# Altium PCB Nestling_2.x_EXB.PcbDoc (part 1 of 2)
Units mm, origin at the board's own origin, x right, y up, seen from the top; angles counter-clockwise.
Board outline 140 x 90 mm, 2 copper layers (Top Layer, Bottom Layer); 103 components, 167 nets, 700 pads, 183 vias.
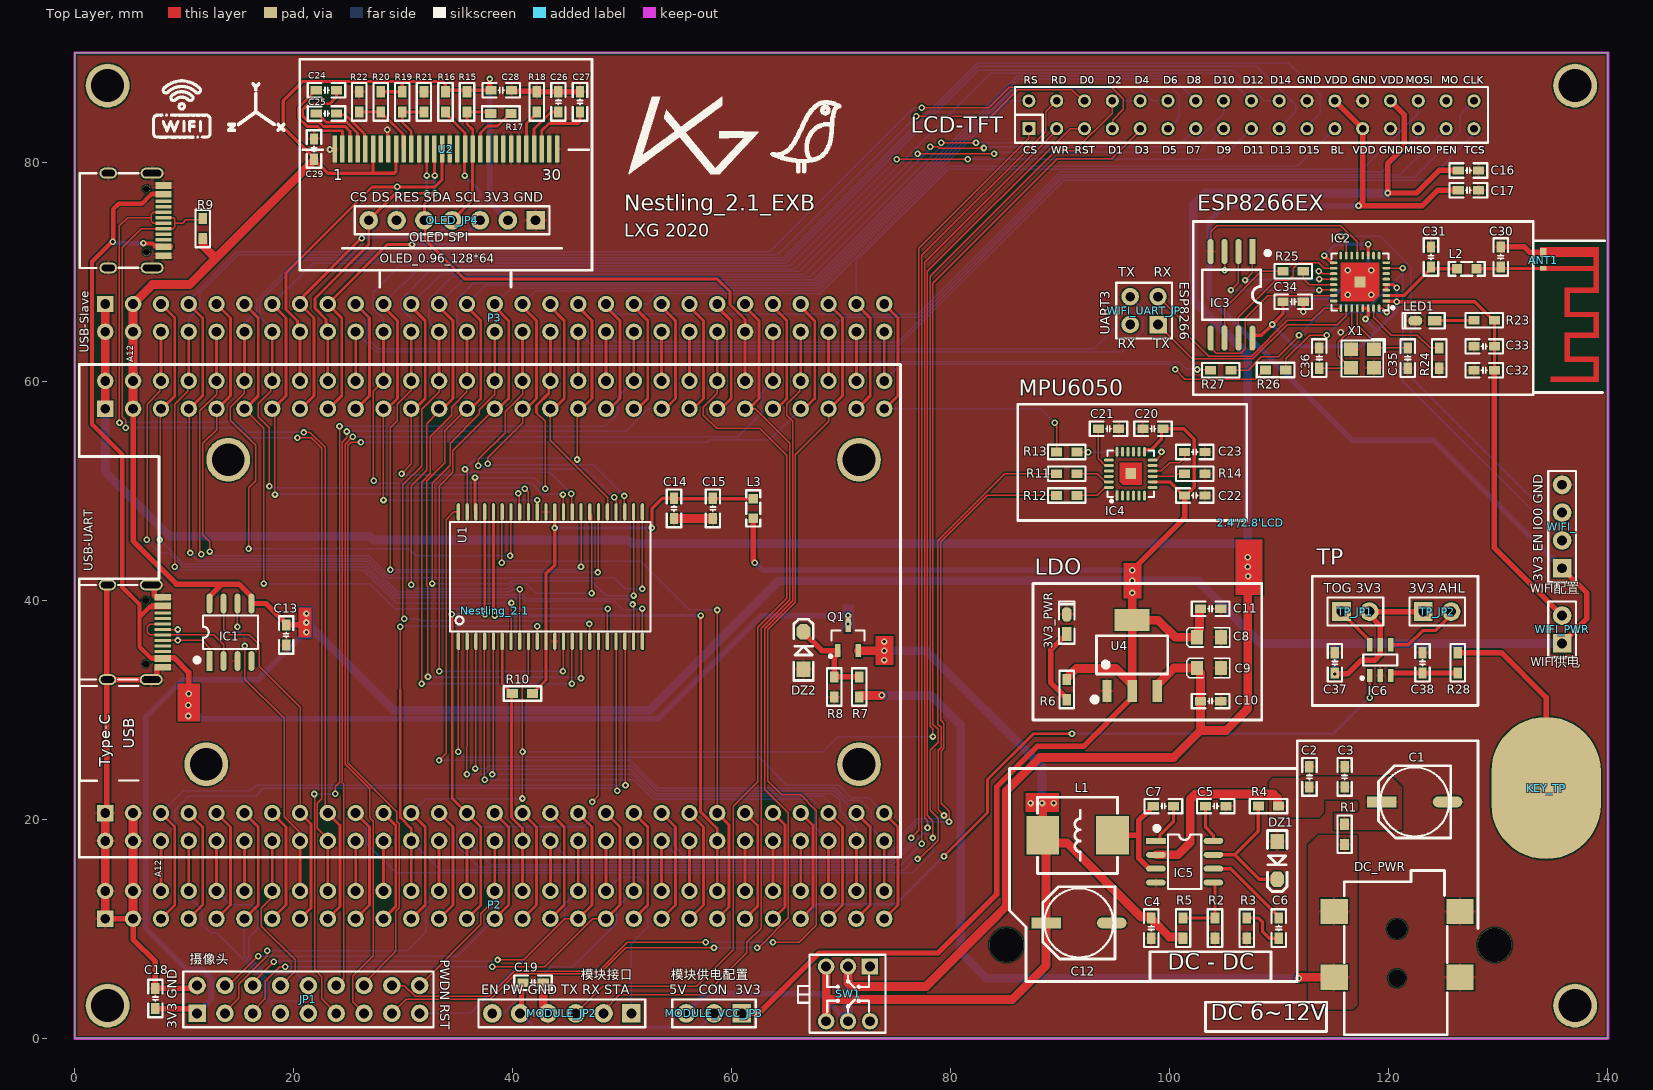
[diagram p0: Top Layer view]
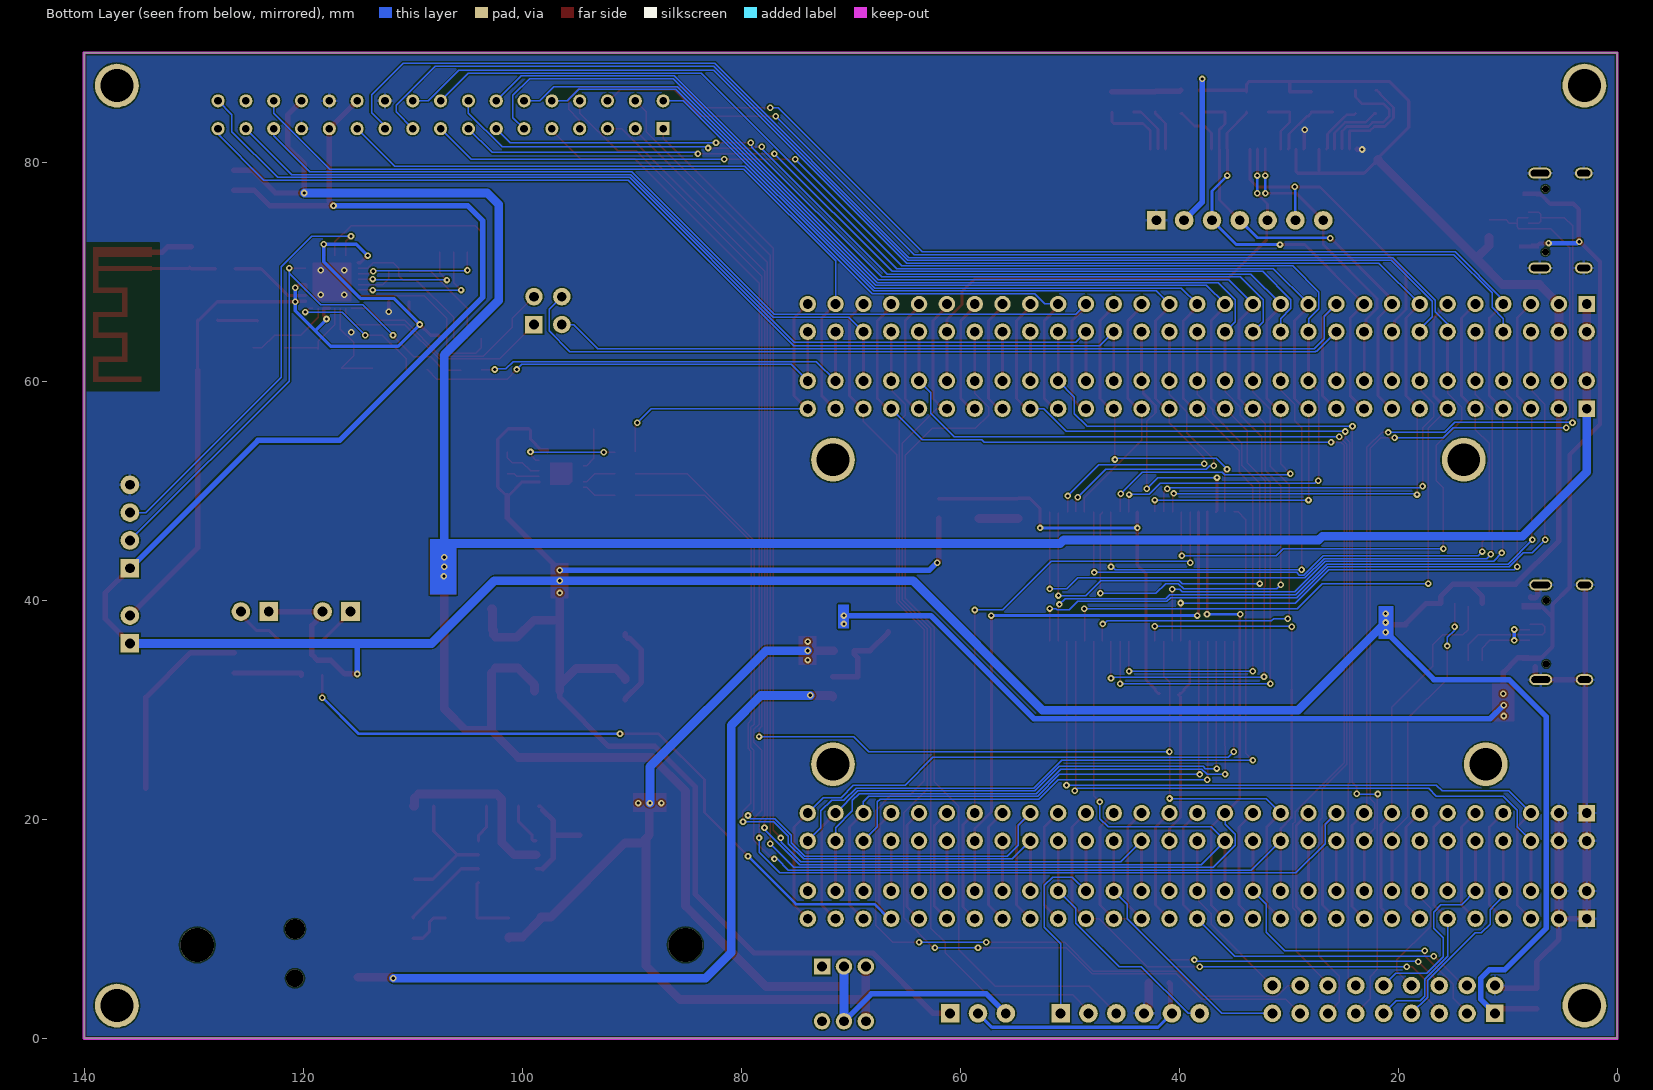
[diagram p1: Bottom Layer view, seen from below]

## Layer stack, top to bottom
Top Solder: solder mask 0.0102, Solder Resist, Dk 3.5
Top Layer: signal copper 0.0356
Dielectric 1: dielectric 0.32, FR-4, Dk 4.8
Bottom Layer: signal copper 0.0356
Bottom Solder: solder mask 0.0102, Solder Resist, Dk 3.5

## Board outline
0,0 140,0 140,90 0,90

## Design rules (kind name [scope] priority, off if disabled: settings)
Clearance [All] p1: gap=0.127 ignorepadtopadclearanceinfootprint=FALSE
ComponentClearance [All] p1 off: gap=0.254 collisioncheckmode=3 verticalgap=0.254 showdistances=FALSE
PolygonConnect [All] p1: thpad.connectstyle=Relief thpad.reliefconductorwidth=0.254 thpad.reliefentries=4 thpad.polygonreliefangle="90 Angle" thpad.airgapwidth=0.127 smdpad.connectstyle=Relief smdpad.reliefconductorwidth=0.254 smdpad.reliefentries=4 smdpad.polygonreliefangle="90 Angle" smdpad.airgapwidth=0.127 via.connectstyle=Direct via.reliefconductorwidth=0.254 via.reliefentries=4 via.polygonreliefangle="90 Angle" via.airgapwidth=0.254
RoutingVias [All] p1: holewidth=0.3 width=0.6 viastyle="Through Hole" minholewidth=0.3 minwidth=0.6 maxholewidth=0.711 maxwidth=1.27
SolderMaskExpansion [All] p1: expansion=0.102 istentingtop=FALSE
Width PWR [InNetClass('PWR')] p1: maxlimit=0.8 minlimit=0.127 preferedwidth=0.5
Width [All] p2: maxlimit=0.5 minlimit=0.127 preferedwidth=0.127
29 further rules are at their usual default settings.

## Classes and differential pairs
net class PWR: 3V3 3v3_WIFI 5V 5V_IN 5V_USB 12V 12V_IN
component class Nestling_2.1_EXB: C14 C15 C37 C38 IC6 KEY_TP L3 Nestling_2.1 R10 R28 TP_JP1 TP_JP2 U1
component class Nestling_2.1_EXB_WIFI_ESP8266EX: ANT1 C30 C31 C32 C33 C34 C35 C36 IC2 IC3 L2 LED1 R23 R24 R25 R26 R27 WIFI_ WIFI_PWR WIFI_UART_JP X1
component class Nestling_2.1_EXB_POWER: 3V3_PWR C1 C2 C3 C4 C5 C6 C7 C8 C9 C10 C11 C12 DC_PWR DZ1 DZ2 IC5 L1 Q1 R1 R2 R3 R4 R5 R6 R7 R8 SW1 U4
component class Nestling_2.1_EXB_OLED: C24 C25 C26 C27 C28 C29 OLED_JP4 R15 R16 R17 R18 R19 R20 R21 R22 U2
component class Nestling_2.1_EXB_MPU6050: C20 C21 C22 C23 IC4 R11 R12 R13 R14
component class Nestling_2.1_EXB_IO: P2 P3
component class Nestling_2.1_EXB_Interface: 2.4'/2.8'LCD C13 C16 C17 C18 C19 IC1 JP1 MODULE_JP2 MODULE_VCC_JP3 R9 USB-Slave USB-UART

## Components (designator, comment, footprint, x,y, rotation, side; value= is the part's Value field where it differs from the comment)
2.4'/2.8'LCD "TFT_LCD" db2*17-4.3 87.122,83.058 r0 top locked
3V3_PWR "RED_LED" "LED 0603R" 90.587,37.831 r90 top
ANT1 "2.4GHz_RF" ANT-F-1-2.4G 134.087,71.806 r270 top locked
C1 "100uF/16V" "CM D(6.3*5.4)" 122.349,21.59 r180 top
C2 "0.1uF" "C 0603_M" 112.738,23.876 r270 top
C3 "10uF" "C 0603_M" 115.951,23.876 r270 top
C4 "22uF" "C 0603_M" 98.298,10.071 r90 top
C5 "0.1uF" "C 0603_M" 104.178,21.209 r180 top
C6 "3.3nF" "C 0603_M" 109.931,10.071 r90 top
C7 "10nF" "C 0603_M" 99.403,21.209 r0 top
C8 "10uF/6.3V" "CD S(2012)" 103.554,36.62 r0 top
C9 "10uF/6.3V" "CD S(2012)" 103.554,33.809 r0 top
C10 "0.1uF" "C 0603_M" 103.718,30.797 r0 top
C11 "0.1uF" "C 0603_M" 103.718,39.228 r0 top
C12 "100uF/16V" "CM D(6.3*5.4)" 91.694,10.541 r180 top
C13 "0.1uF" "C 0603_M" 19.304,36.834 r90 top
C14 "1uF" "C 0603_M" 54.716,48.391 r90 top
C15 "0.1uF" "C 0603_M" 58.272,48.391 r90 top
C16 "0.1uF" "C 0603_M" 127.254,79.248 r180 top
C17 "0.1uF" "C 0603_M" 127.254,77.445 r0 top
C18 "0.1uF" "C 0603_M" 7.366,3.645 r90 top
C19 "0.1uF" "C 0603_M" 41.851,5.08 r0 top
C20 "0.1uF" "C 0603_M" 98.457,55.666 r0 top
C21 "2.2nF" "C 0603_M" 94.393,55.666 r0 top
C22 "0.1uF" "C 0603_M" 102.267,49.57 r0 top
C23 "0.1uF" "C 0603_M" 102.267,53.546 r0 top
C24 "1uF" "C 0603_M" 22.983,86.563 r0 top
C25 "1uF" "C 0603_M" 22.983,84.455 r0 top
C26 "4.7uF" "C 0603_M" 44.164,85.509 r90 top
C27 "2.2uF" "C 0603_M" 46.139,85.509 r90 top
C28 "1uF" "C 0603_M" 38.951,86.563 r0 top
C29 "1uF" "C 0603_M" 21.844,81.204 r90 top
C30 "2.4pF" "C 0603_M" 130.198,71.346 r90 top
C31 "3pF" "C 0603_M" 123.835,71.346 r90 top
C32 "10uF" "C 0603_M" 128.707,61.006 r180 top
C33 "0.1uF" "C 0603_M" 128.707,63.184 r180 top
C34 "0.1uF" "C 0603_M" 111.252,67.252 r0 top
C35 "10pF" "C 0603_M" 121.709,62.114 r90 top
C36 "10pF" "C 0603_M" 113.64,62.114 r90 top
C37 "0.1uF" "C 0603_M" 115.062,34.29 r270 top
C38 "20pF" "C 0603_M" 123.063,34.29 r270 top
DC_PWR "DC_050_5.5*2.1" DC-050 120.742,9.988 r90 top locked
DZ1 "MMSZ5231BT1G 丝印E1" SOD-123 109.804,16.256 r270 top
DZ2 "MMSZ5231BT1G 丝印E1" SOD-123 66.548,35.418 r90 top
IC1 "CH340N" SOP8_N 14.224,37.084 r90 top
IC2 "ESP8266EX" "QFN32 5x5_L" 117.348,69.079 r90 top
IC3 "GD25Q80" SOP8W_N 105.623,67.894 r270 top
IC4 "MPU6050" "QFN24 4x4_N" 96.425,51.558 r0 top
IC5 "MP2303" SOP8_N 101.346,16.129 r0 top
IC6 "RH6015C SOT23-6" SOT23-6N 119.203,34.544 r0 top
JP1 "Header 9X2" HDR2.54-LI-2x9P 21.336,3.556 r0 top
KEY_TP "TP_Pin" TP_PIN_10*13mm 134.349,22.86 r180 top
L1 "15uH" L-SMD-0630 91.567,18.542 r180 top
L2 "2.2nH" "L 0603" 127.102,70.266 r180 top
L3 "磁珠600R 400mA ±25% 100MHz" "L 0603" 61.955,48.391 r90 top
LED1 "GREEN" "LED 0603G" 123.289,65.536 r180 top
MODULE_JP2 "HDR-1X6" HDR2.54-M-LI-6P 44.476,2.286 r180 top
MODULE_VCC_JP3 "HDR-1X3" HDR2.54-LI-3P 58.373,2.286 r180 top
Nestling_2.1 "Nestling_2.1" Nestling_2.1 76.157,15.545 r90 top locked
OLED_JP4 "HDR-1X7" HDR2.54-M-LI-7P 34.468,74.701 r180 top
P2 "Header 29X2" HDR2X29#1 2.791,10.922 r0 top locked
P3 "Header 29X2" HDR2X29#2 2.794,67.056 r0 top locked
Q1 "AO3401A 丝印X1" SOT23-3N 70.612,36.545 r0 top
R1 "0R" "R 0603_M" 115.951,18.631 r90 top
R2 "10K" "R 0603_M" 104.115,10.071 r90 top
R3 "10K" "R 0603_M" 107.023,10.071 r90 top
R4 "4.7K" "R 0603_M" 109.004,21.209 r0 top
R5 "52.5K" "R 0603_M" 101.206,10.071 r90 top
R6 "2K" "R 0603_M" 90.58,31.851 r90 top
R7 "4.7K" "R 0603_M" 71.628,32.086 r270 top
R8 "10K" "R 0603_M" 69.342,32.086 r90 top
R9 "1.5K" "R 0603_M" 11.684,73.946 r90 top
R10 "10K" "R 0603_M" 40.883,31.496 r0 top
R11 "100R" "R 0603_M" 90.583,51.558 r0 top
R12 "100R" "R 0603_M" 90.583,49.57 r0 top
R13 "100R" "R 0603_M" 90.583,53.546 r0 top
R14 "10K" "R 0603_M" 102.267,51.558 r0 top
R15 "4.7K" "R 0603_M" 35.814,85.509 r90 top
R16 "4.7K" "R 0603_M" 33.848,85.509 r90 top
R17 "0R" "R 0603_M" 38.913,84.455 r0 top
R18 "910K" "R 0603_M" 42.189,85.509 r270 top
R19 "4.7K" "R 0603_M" 29.916,85.509 r90 top
R20 "4.7K" "R 0603_M" 27.95,85.509 r90 top
R21 "4.7K" "R 0603_M" 31.882,85.509 r270 top
R22 "4.7K" "R 0603_M" 25.984,85.509 r270 top
R23 "2K" "R 0603_M" 128.707,65.581 r0 top
R24 "12K" "R 0603_M" 124.587,62.114 r270 top
R25 "20R" "R 0603_M" 111.252,70.046 r0 top
R26 "1K" "R 0603_M" 109.652,61.036 r180 top
R27 "1K" "R 0603_M" 104.645,61.016 r180 top
R28 "1K" "R 0603_M" 126.284,34.29 r90 top
SW1 "KET 7X7" "KFT DIP-7X7" 70.612,4.064 r180 top
TP_JP1 "HDR-1X2" HDR2.54-LI-2P 116.94,38.974 r0 top
TP_JP2 "HDR-1X2" HDR2.54-LI-2P 124.406,38.974 r0 top
U1 "IS62WV51216BLL-55TLI" TSOP44-0.8MM 43.431,42.164 r90 top value=IS62WV51216BLL-55TI
U2 "OLED_SSD1306" 30P_0.7mm 20.545,70.144 r0 top locked
U4 "AMS1117-3.3" SOT223_N 96.556,35.014 r0 top
USB-Slave "Type-C" Type-C 5.588,74.676 r180 top
USB-UART "Type-C" Type-C 5.512,37.084 r180 top locked
WIFI_ "HDR-1X4" HDR2.54-LI-4P 135.813,46.736 r90 top (schematic designator WIFI_CON_JP6)
WIFI_PWR "HDR-1X2" HDR2.54-LI-2P 135.813,37.338 r90 top (schematic designator WIFI_PWR_JP5)
WIFI_UART_JP "Header2X2" HDR2.54-LI-2x2P 97.644,66.451 r90 top
X1 "26M" "OSC 3225-4P" 117.577,62.078 r180 top

## Footprints (in the part's own frame and the unit in brackets; to place one, negate y for a bottom-side part, rotate by r counter-clockwise, add the part's x,y. Pads: shape width x height; smd on the part's side, far side on the other; paste and mask are expansions set on the pad)
30P_0.7mm [mm] "OLED_SSD1306"
  rect 0.4x2.5 smd: 1(3.2,11.06) 2(3.9,11.06) 3(4.6,11.06) 4(5.3,11.06) 5(6,11.06) 6(6.7,11.06) 7(7.4,11.06) 8(8.1,11.06) 9(8.8,11.06) 10(9.5,11.06) 11(10.2,11.06) 12(10.9,11.06) 13(11.6,11.06) 14(12.3,11.06) 15(13,11.06) 16(13.7,11.06) 17(14.4,11.06) 18(15.1,11.06) 19(15.8,11.06) 20(16.5,11.06) 21(17.2,11.06) 22(17.9,11.06) 23(18.6,11.06) 24(19.3,11.06) 25(20,11.06) 26(20.7,11.06) 27(21.4,11.06) 28(22.1,11.06) 29(22.8,11.06) 30(23.5,11.06)
  silkscreen extent 0,-1.54 26.7,19.26
ANT-F-1-2.4G [mm]
  rect 0.4x0.6 smd: 1(1.5,0)
  rect 0.8x0.6 smd: 2(0.017,0)
  Top Layer region: 1.26,-0.305 1.76,-0.305 1.76,4.826 1.26,4.826
  Top Layer region: -0.44,-0.305 0.46,-0.305 0.46,4.801 -0.44,4.801
  Top Layer region: -0.44,4.595 3.76,4.595 3.76,5.095 -0.44,5.095
  Top Layer region: 3.26,1.955 3.76,1.955 3.76,4.775 3.26,4.775
  Top Layer region: 3.35,1.955 5.89,1.955 5.89,2.45 3.35,2.45
  Top Layer region: 5.46,1.955 5.96,1.955 5.96,4.775 5.46,4.775
  Top Layer region: 5.46,4.595 7.86,4.595 7.86,5.095 5.46,5.095
  Top Layer region: 7.36,1.955 7.86,1.955 7.86,4.775 7.36,4.775
  Top Layer region: 7.375,1.955 9.864,1.955 9.864,2.455 7.375,2.455
  Top Layer region: 9.56,1.955 10.06,1.955 10.06,4.775 9.56,4.775
  Top Layer region: 9.56,4.595 11.86,4.595 11.86,5.095 9.56,5.095
  Top Layer region: 11.36,0.655 11.86,0.655 11.86,4.775 11.36,4.775
"C 0603_M" [mil] "无极性贴片电容"
  rect 40x30 smd: 1(-36.5,0) 2(36.5,0)
  silkscreen extent -68,-26 68,26, body extent -31,-16 31,16, height 32
"CD S(2012)" [mm] "长2.0mm，宽1.25mm，厚1.2mm"
  rect 1.1x1.3 smd: 1(-1.1,0) 2(1.1,0)
  silkscreen extent -2.03,-0.89 1.91,0.89, body extent -1,-0.6 1,0.6, height 1.2
"CM D(6.3*5.4)" [mm] "贴片电解电容，直径6.3mm，高5.4mm"
  rect 2.7x1 smd: 1(3,0)
  oval 2.7x1 smd: 2(-3,0)
  silkscreen extent -3.3,-3.3 3.3,3.3, body extent -3.5,-3.3 3.5,3.3, height 5.4
db2*17-4.3 [mm]
  rect 1.2x1.2 hole 0.7: 1(-0.002,0.006)
  round 1.2 hole 0.7: 2(-0.002,2.546) 3(2.538,0.006) 4(2.538,2.546) 5(5.08,0) 6(5.078,2.546) 7(7.62,0) 8(7.62,2.54) 9(10.158,0.006) 10(10.158,2.546) 11(12.698,0.006) 12(12.698,2.546) 13(15.238,0.006) 14(15.238,2.546) 15(17.778,0.006) 16(17.778,2.546) 17(20.318,0.006) 18(20.318,2.546) 19(22.858,0.006) 20(22.858,2.546) 21(25.398,0.006) 22(25.398,2.546) 23(27.938,0.006) 24(27.938,2.546) 25(30.478,0.006) 26(30.478,2.546) 27(33.018,0.006) 28(33.018,2.546) 29(35.558,0.006) 30(35.558,2.546) 31(38.098,0.006) 32(38.098,2.546) 33(40.638,0.006) 34(40.638,2.546)
  round 3.1 hole 3.1: ""(-2.037,-74.525) ""(42.54,-74.525)
  silkscreen extent -1.27,-1.28 41.91,3.82
DC-050 [mm] "5.5*2.1"
  rect 2.3x2.5 smd: 1(-4.4,5.75) 1(1.6,5.75) 2(1.6,-5.75) 3(-4.4,-5.75)
  silkscreen extent -9.65,-4.57 5.33,4.83, body extent -9.5,-6.3 5.3,6.3, height 11
HDR2.54-LI-2P [mm] "排针，2脚"
  rect 1.7x1.7 hole 0.9: 1(-1.27,0)
  round 1.7 hole 0.9: 2(1.27,0)
  silkscreen extent -2.54,-1.27 2.54,1.27, body extent -2.54,-1.27 2.54,1.27, height 8.5
HDR2.54-LI-2x2P [mm] "双排排针，2x2脚"
  rect 1.6x1.6 hole 0.9: 1(-1.27,-1.27)
  round 1.6 hole 0.9: 2(-1.27,1.27) 3(1.27,-1.27) 4(1.27,1.27)
  silkscreen extent -2.54,-2.54 2.54,2.54, body extent -2.54,-2.54 2.54,2.54, height 8.5
HDR2.54-LI-2x9P [mm] "双排排针，9x2脚"
  rect 1.6x1.6 hole 0.9: 1(-10.16,-1.27)
  round 1.6 hole 0.9: 2(-10.16,1.27) 3(-7.62,-1.27) 4(-7.62,1.27) 5(-5.08,-1.27) 6(-5.08,1.27) 7(-2.54,-1.27) 8(-2.54,1.27) 9(0,-1.27) 10(0,1.27) 11(2.54,-1.27) 12(2.54,1.27) 13(5.08,-1.27) 14(5.08,1.27) 15(7.62,-1.27) 16(7.62,1.27) 17(10.16,-1.27) 18(10.16,1.27)
  silkscreen extent -11.43,-2.54 11.43,2.54, body extent -11.43,-2.54 11.43,2.54, height 8.5
HDR2.54-LI-3P [mm] "排针，3脚"
  rect 1.7x1.7 hole 0.9: 1(-2.54,0)
  round 1.7 hole 0.9: 2(0,0) 3(2.54,0)
  silkscreen extent -3.81,-1.27 3.81,1.27, body extent -3.81,-1.27 3.81,1.27, height 8.5
HDR2.54-LI-4P [mm] "排针，4脚"
  rect 1.7x1.7 hole 0.9: 1(-3.81,0)
  round 1.7 hole 0.9: 2(-1.27,0) 3(1.27,0) 4(3.81,0)
  silkscreen extent -5.08,-1.27 5.08,1.27, body extent -5.08,-1.27 5.08,1.27, height 8.5
HDR2.54-M-LI-6P [mm] "排母，6脚"
  rect 1.7x1.7 hole 0.9: 1(-6.35,0)
  round 1.7 hole 0.9: 2(-3.81,0) 3(-1.27,0) 4(1.27,0) 5(3.81,0) 6(6.35,0)
  silkscreen extent -7.62,-1.27 7.62,1.27, body extent -7.62,-1.27 7.62,1.27, height 8.5
HDR2.54-M-LI-7P [mm] "排母，7脚"
  rect 1.7x1.7 hole 0.9: 1(-7.62,0)
  round 1.7 hole 0.9: 2(-5.08,0) 3(-2.54,0) 4(0,0) 5(2.54,0) 6(5.08,0) 7(7.62,0)
  silkscreen extent -8.89,-1.27 8.89,1.27, body extent -8.89,-1.27 8.89,1.27, height 8.5
HDR2X29#1 [mm]
  rect 1.5x1.5 hole 0.9: 1(0,0)
  round 1.5 hole 0.9: 2(0,2.54) 3(2.54,0) 4(2.54,2.54) 5(5.08,0) 6(5.08,2.54) 7(7.62,0) 8(7.62,2.54) 9(10.16,0) 10(10.16,2.54) 11(12.7,0) 12(12.7,2.54) 13(15.24,0) 14(15.24,2.54) 15(17.78,0) 16(17.78,2.54) 17(20.32,0) 18(20.32,2.54) 19(22.86,0) 20(22.86,2.54) 21(25.4,0) 22(25.4,2.54) 23(27.94,0) 24(27.94,2.54) 25(30.48,0) 26(30.48,2.54) 27(33.02,0) 28(33.02,2.54) 29(35.56,0) 30(35.56,2.54) 31(38.1,0) 32(38.1,2.54) 33(40.64,0) 34(40.64,2.54) 35(43.18,0) 36(43.18,2.54) 37(45.72,0) 38(45.72,2.54) 39(48.26,0) 40(48.26,2.54) 41(50.8,0) 42(50.8,2.54) 43(53.34,0) 44(53.34,2.54) 45(55.88,0) 46(55.88,2.54) 47(58.42,0) 48(58.42,2.54) 49(60.96,0) 50(60.96,2.54) 51(63.5,0) 52(63.5,2.54) 53(66.04,0) 54(66.04,2.54) 55(68.58,0) 56(68.58,2.54) 57(71.12,0) 58(71.12,2.54)
HDR2X29#2 [mm]
  rect 1.5x1.5 hole 0.9: 1(0,0)
  round 1.5 hole 0.9: 2(0,-2.54) 3(2.54,0) 4(2.54,-2.54) 5(5.08,0) 6(5.08,-2.54) 7(7.62,0) 8(7.62,-2.54) 9(10.16,0) 10(10.16,-2.54) 11(12.7,0) 12(12.7,-2.54) 13(15.24,0) 14(15.24,-2.54) 15(17.78,0) 16(17.78,-2.54) 17(20.32,0) 18(20.32,-2.54) 19(22.86,0) 20(22.86,-2.54) 21(25.4,0) 22(25.4,-2.54) 23(27.94,0) 24(27.94,-2.54) 25(30.48,0) 26(30.48,-2.54) 27(33.02,0) 28(33.02,-2.54) 29(35.56,0) 30(35.56,-2.54) 31(38.1,0) 32(38.1,-2.54) 33(40.64,0) 34(40.64,-2.54) 35(43.18,0) 36(43.18,-2.54) 37(45.72,0) 38(45.72,-2.54) 39(48.26,0) 40(48.26,-2.54) 41(50.8,0) 42(50.8,-2.54) 43(53.34,0) 44(53.34,-2.54) 45(55.88,0) 46(55.88,-2.54) 47(58.42,0) 48(58.42,-2.54) 49(60.96,0) 50(60.96,-2.54) 51(63.5,0) 52(63.5,-2.54) 53(66.04,0) 54(66.04,-2.54) 55(68.58,0) 56(68.58,-2.54) 57(71.12,0) 58(71.12,-2.54)
"KFT DIP-7X7" [mm] "自锁开关，规格：7*7mm"
  rect 1.5x1.5 hole 0.9: 1(-2,-2.5)
  round 1.5 hole 0.9: 2(0,-2.5) 3(2,-2.5) 4(2,2.5) 5(0,2.5) 6(-2,2.5)
  silkscreen extent -3.42,-3.58 4.58,3.56, body extent -3.5,-3.5 3.5,3.5, height 11.2
"L 0603" [mil] "小功率贴片电感"
  rect 35x35 smd: 1(-35,0) 2(35,0)
  silkscreen extent -65,-25 65,25, body extent -31,-16 31,16, height 31
L-SMD-0630 [mm] "一体化成型电感"
  rect 3x3.5 smd: 1(-3.175,0) 2(3.175,0)
  silkscreen extent -3.66,-3.48 3.66,3.48, body extent -3.47,-3.3 3.47,3.3, height 3.05
"LED 0603G" [mil] "绿色0603LED"
  rect 50x35 smd: 1(-35,0.26)
  oct 50x35 smd: 2(35,0.26)
  silkscreen extent -71,-28 81,28, body extent -31,-16 32,16, height 18
"LED 0603R" [mil] "红色0603LED"
  rect 50x35 smd: 1(-35,0.26)
  oct 50x35 smd: 2(35,0.26)
  silkscreen extent -71,-28 81,28, body extent -31,-16 31,16, height 18
Nestling_2.1 [mm]
  round 4 hole 3: 0(9.489,64.143) 0(9.489,4.543) 0(37.289,62.143) 0(37.289,4.543)
  rect 1.5x1.5 hole 0.9: 1(5.029,73.363) 59(41.949,73.363)
  round 1.5 hole 0.9: 2(2.489,73.363) 3(5.029,70.823) 4(2.489,70.823) 5(5.029,68.283) 6(2.489,68.283) 7(5.029,65.743) 8(2.489,65.743) 9(5.029,63.203) 10(2.489,63.203) 11(5.029,60.663) 12(2.489,60.663) 13(5.029,58.123) 14(2.489,58.123) 15(5.029,55.583) 16(2.489,55.583) 17(5.029,53.043) 18(2.489,53.043) 19(5.029,50.503) 20(2.489,50.503) 21(5.029,47.963) 22(2.489,47.963) 23(5.029,45.423) 24(2.489,45.423) 25(5.029,42.883) 26(2.489,42.883) 27(5.029,40.343) 28(2.489,40.343) 29(5.029,37.803) 30(2.489,37.803) 31(5.029,35.263) 32(2.489,35.263) 33(5.029,32.723) 34(2.489,32.723) 35(5.029,30.183) 36(2.489,30.183) 37(5.029,27.643) 38(2.489,27.643) 39(5.029,25.103) 40(2.489,25.103) 41(5.029,22.563) 42(2.489,22.563) 43(5.029,20.023) 44(2.489,20.023) 45(5.029,17.483) 46(2.489,17.483) 47(5.029,14.943) 48(2.489,14.943) 49(5.029,12.403) 50(2.489,12.403) 51(5.029,9.863) 52(2.489,9.863) 53(5.029,7.323) 54(2.489,7.323) 55(5.029,4.783) 56(2.489,4.783) 57(5.029,2.243) 58(2.489,2.243) 60(44.489,73.363) 61(41.949,70.823) 62(44.489,70.823) 63(41.949,68.283) 64(44.489,68.283) 65(41.949,65.743) 66(44.489,65.743) 67(41.949,63.203) 68(44.489,63.203) 69(41.949,60.663) 70(44.489,60.663) 71(41.949,58.123) 72(44.489,58.123) 73(41.949,55.583) 74(44.489,55.583) 75(41.949,53.043) 76(44.489,53.043) 77(41.949,50.503) 78(44.489,50.503) 79(41.949,47.963) 80(44.489,47.963) 81(41.949,45.423) 82(44.489,45.423) 83(41.949,42.883) 84(44.489,42.883) 85(41.949,40.343) 86(44.489,40.343) 87(41.949,37.803) 88(44.489,37.803) 89(41.949,35.263) 90(44.489,35.263) 91(41.949,32.723) 92(44.489,32.723) 93(41.949,30.183) 94(44.489,30.183) 95(41.949,27.643) 96(44.489,27.643) 97(41.949,25.103) 98(44.489,25.103) 99(41.949,22.563) 100(44.489,22.563) 101(41.949,20.023) 102(44.489,20.023) 103(41.949,17.483) 104(44.489,17.483) 105(41.949,14.943) 106(44.489,14.943) 107(41.949,12.403) 108(44.489,12.403) 109(41.949,9.863) 110(44.489,9.863) 111(41.949,7.323) 112(44.489,7.323) 113(41.949,4.783) 114(44.489,4.783) 115(41.949,2.243) 116(44.489,2.243)
  silkscreen extent 0.99,0.76 45.97,75.74
"OSC 3225-4P" [mm] "3.2*2.5*0.7mm(长宽高)"
  rect 1.3x1.2 smd: 1(-1.05,-0.85) 2(1.05,-0.85) 3(1.05,0.85) 4(-1.05,0.85)
  silkscreen extent -2.03,-1.75 1.91,1.65, body extent -1.6,-1.25 1.6,1.25, height 0.7
"QFN24 4x4_N" [mm] "24脚，长x宽x高：4x4x1mm，脚距：0.5mm"
  rect 0.28x0.9 smd: 1(-1.25,-2)
  oval 0.28x0.9 smd: 2(-0.75,-2) 3(-0.25,-2) 4(0.25,-2) 5(0.75,-2) 6(1.25,-2) 13(1.25,2) 14(0.75,2) 15(0.25,2) 16(-0.25,2) 17(-0.75,2) 18(-1.25,2)
  oval 0.9x0.28 smd: 7(2,-1.25) 8(2,-0.75) 9(2,-0.25) 10(2,0.25) 11(2,0.75) 12(2,1.25) 19(-2,1.25) 20(-2,0.75) 21(-2,0.25) 22(-2,-0.25) 23(-2,-0.75) 24(-2,-1.25)
  rect 1x1 smd: 25(0,0)
  Top Layer region: -1,1 1,1 1,-1 -0.75,-1 -1,-0.75
  silkscreen extent -2.11,-2.6 2.11,2.11, body extent -2.01,-2.01 2.01,2.01, height 0.95
"QFN32 5x5_L" [mm] "32脚，长x宽x高：5x5x0.95mm，脚距：0.5mm"
  rect 0.25x0.7 smd: 1(-1.751,-2.4)
  oval 0.25x0.7 smd: 2(-1.25,-2.4) 3(-0.75,-2.4) 4(-0.25,-2.4) 5(0.25,-2.4) 6(0.75,-2.4) 7(1.25,-2.4) 8(1.75,-2.4) 17(1.75,2.4) 18(1.25,2.4) 19(0.75,2.4) 20(0.25,2.4) 21(-0.25,2.4) 22(-0.75,2.4) 23(-1.25,2.4) 24(-1.75,2.4)
  oval 0.7x0.25 smd: 9(2.4,-1.75) 10(2.4,-1.25) 11(2.4,-0.75) 12(2.4,-0.25) 13(2.4,0.25) 14(2.4,0.75) 15(2.4,1.25) 16(2.4,1.75) 25(-2.4,1.75) 26(-2.4,1.25) 27(-2.4,0.75) 28(-2.4,0.25) 29(-2.4,-0.25) 30(-2.4,-0.75) 31(-2.4,-1.25) 32(-2.4,-1.75)
  rect 1x1 smd: 33(0,0)
  Top Layer region: -1.75,1.75 1.75,1.75 1.75,-1.75 -1.25,-1.75 -1.75,-1.25
  silkscreen extent -2.6,-3.13 2.6,2.6, body extent -2.5,-2.5 2.5,2.5, height 0.93
"R 0603_M" [mil] "1/10W贴片电阻"
  rect 40x31.5 smd: 1(-36.5,0) 2(36.5,0)
  silkscreen extent -68,-26 68,26, body extent -31,-16 32,16, height 16
SOD-123 [mil] "2.7x1.6X1.1mm（长宽高，不包括引脚）"
  rect 55x50 smd: 1(-67.5,0)